# KiCad board dilemma.kicad_pcb (continued)
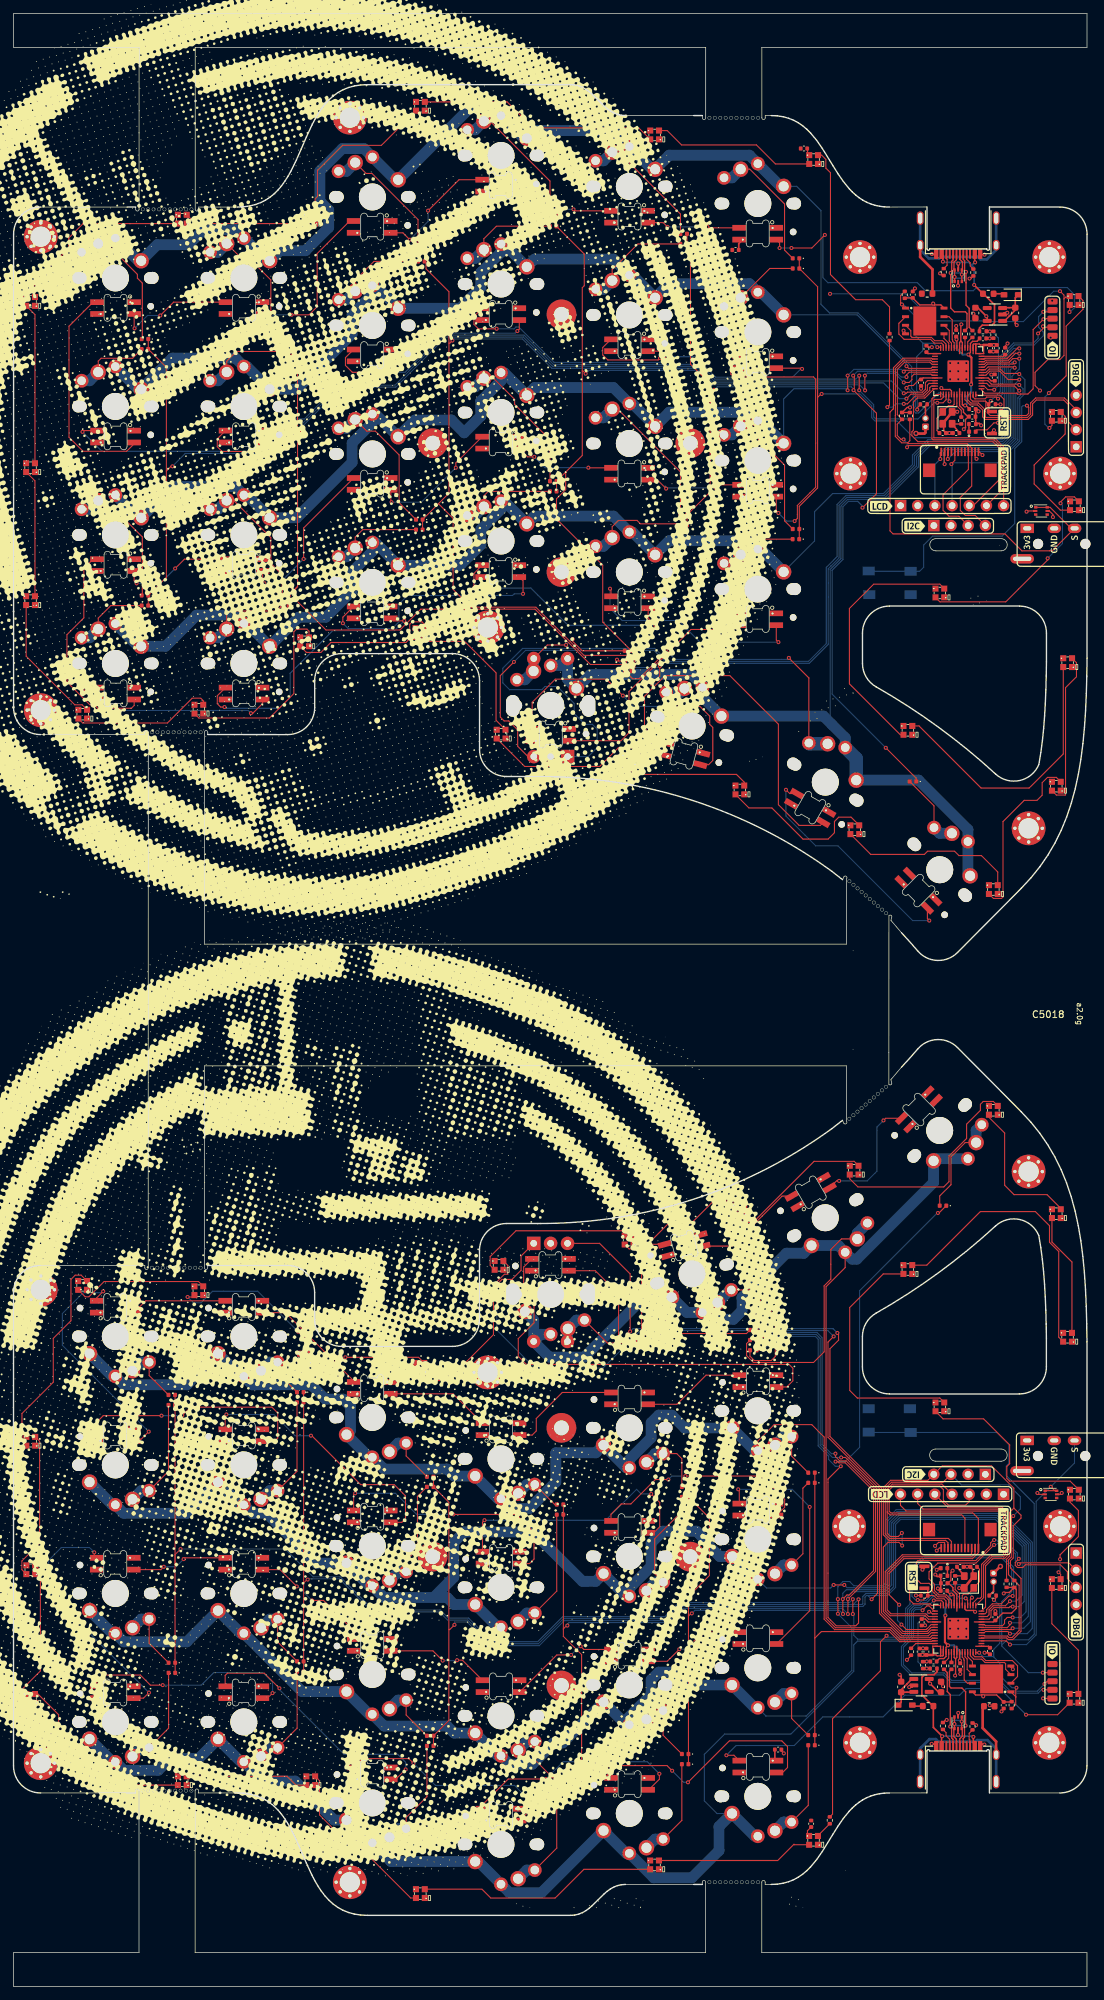
[diagram p0: board, top side]
## Placement (name value [footprint] x y rotation side) (continued)
SW5039  NA_SW_Push  [SW_MX_choc]  110.05 28.11 0 bottom
SW5040  NA_SW_Push  [SW_MX_choc]  15.05 39.11 0 bottom
SW5041  NA_SW_Push  [SW_MX_choc]  136.96 165.12 135 bottom
SW5042  NA_SW_Push  [SW_MX_choc]  136.95 126.57 45 bottom
U1  RP2040  [QFN-56-1EP_7x7mm_P0.4mm_EP3.2x3.2mm]  139.69 238.83 0 top
U2  W25Q128JVS  [W25Q128JVPIQ]  134.75 246.26 0 top
U3  XC6210B332MR-G  [SOT-23-5]  145.12 247.22 180 top
U4  USBLC6-2P6  [SOT-666]  139.69 252.94 90 top
U5001  XC6210B332MR-G  [SOT-23-5]  134.26 44.52 0 top
U5002  RP2040  [QFN-56-1EP_7x7mm_P0.4mm_EP3.2x3.2mm]  139.69 52.9 180 top
U5003  USBLC6-2P6  [SOT-666]  139.67 39 270 top
U5004  W25Q128JVS  [W25Q128JVPIQ]  144.64 45.48 180 top
U5005  USBLC6-2P6  [SOT-666]  152 218.17 0 top
U5006  USBLC6-2P6  [SOT-666]  153.4 72.77 0 top
Y1  Crystal_GND24  [Crystal_SMD_2520-4Pin_2.5x2.0mm]  138.09 231.93 270 top
Y5001  Crystal_GND24  [Crystal_SMD_2520-4Pin_2.5x2.0mm]  141.29 59.8 90 top

## Library data of the parts
C1 C2 C5001 C5002 = -: Description: Unpolarized capacitor; LCSC: C19666
C3 C4 C5005 C5008 = -: Description: Unpolarized capacitor; LCSC: C1548
C5 C6 C5003 C5004 C5015-C5018 = -: Description: Unpolarized capacitor; LCSC: C52923
C7-C14 C5006 C5007 C5009-C5014 = -: Description: Unpolarized capacitor; LCSC: C1525
D1 D5001 = -: Description: Light emitting diode; LCSC: C130719
D2 D5004 = -: Description: Schottky diode; LCSC: C123899
D3 D4 D7-D9 D11 D12 D15 D16 D18 D19 D21 D22 D24 D25 D27 D28 D5013 D5014 D5016-D5030 D5109-D5116 D5138-D5143 = -: LCSC: C2890035; MFN: Dongguan Opsco Optoelectronics
D112 D115 D5002 D5003 D5005-D5012 D5015 D5067-D5108 D5126 = -: Description: Diode
D5031-D5066 D5117-D5125 D5127-D5137 = -: Description: RGB LED with integrated controller
F1 F5001 = -: Description: Resettable fuse, polymeric positive temperature coefficient; LCSC: C69679
FB1 FB5001 = -: Description: Ferrite bead, small symbol; LCSC: C98288
H101 H102 H104-H108 H111 H5001-H5012 = -: Description: Mounting Hole with connection
J1 J5001 = -: Description: USB 2.0-only Type-C Receptacle connector; LCSC: C2848619
J4 J5008-J5010 = -: Description: Generic connector, single row, 01x05, script generated (kicad-library-utils/schlib/autogen/connector/)
J5 J5002 = -: Description: Generic connector, single row, 01x02, script generated (kicad-library-utils/schlib/autogen/connector/)
J102 J5003 = -: Description: Audio Jack, 4 Poles (TRRS)
J105 J5005 O101 O5001 = -: Description: Generic connector, single row, 01x04, script generated (kicad-library-utils/schlib/autogen/connector/)
J113 J5007 = -: Description: Generic connector, single row, 01x14, script generated (kicad-library-utils/schlib/autogen/connector/)
R1 R3 R8 R5001 R5003 R5008 R5015 R5016 = -: Description: Resistor; LCSC: C11702
R2 R9 R11 R5002 R5010 R5011 = -: Description: Resistor; LCSC: C25744
R4 R5 R10 R5004 R5005 R5009 = -: Description: Resistor; LCSC: C25905
R6 R7 R5006 R5007 = -: Description: Resistor; LCSC: C25100
R101 R5012 = -: Description: Resistor; JLCPCB BOM: 1; JLCPCB Part: C26033
R103 R104 R5013 R5014 = -: Description: Resistor; LCSC: C269746
SW1 SW5001 = -: Description: Push button switch, generic, two pins; LCSC: C319433; Field5: R
SW101-SW109 SW112-SW119 SW3001 SW5002-SW5019 SW5023-SW5042 = -: Description: Push button switch, generic, two pins
SW3002 SW5020 = -: Description: Rotary encoder, dual channel, incremental quadrate outputs, with switch
SW5021 SW5022 = -: Description: Single Pole Single Throw (SPST) switch
U1 U5002 = -: LCSC: C2040
U2 U5004 = -: Description: 128Mb Serial Flash Memory, Standard/Dual/Quad SPI, SOIC-8
U3 U5001 = -: Description: 300mA low dropout linear regulator, shutdown pin, 2.5V-6V input voltage, 3.3V fixed positive output, SOT-23-5; LCSC: C82942; LCSC2: C47719
U4 U5003 U5005 U5006 = -: Description: Very low capacitance ESD protection diode, 2 data-line, SOT-666
Y1 Y5001 = -: Description: Four pin crystal, GND on pins 2 and 4; LCSC: C2149204

## Footprints (pads in the part's own frame, mm; a bottom-side part is the same pattern mirrored in y, then rotated)
C_0402_1005Metric
  rrect 0.56x0.62 smd: 1(-0.48,0) 2(0.48,0)
C_0603_1608Metric
  rrect 0.9x0.95 smd: 1(-0.775,0) 2(0.775,0)
Crystal_SMD_2520-4Pin_2.5x2.0mm
  rrect 1.15x1 smd: 1(-0.875,-0.7) 2(0.875,-0.7) 3(0.875,0.7) 4(-0.875,0.7)
D_0402
  rrect 0.59x0.64 smd: 1(-0.485,0) 2(0.485,0)
D_SOD-323
  rrect 1x0.8 smd: 1(-1.05,0) 2(1.05,0)
FPC-SMD_FPC05012-09200-.5mm
  rect 0.28x1.25 smd: 1(-2.75,1.362) 2(-2.25,1.362) 3(-1.75,1.362) 4(-1.25,1.362) 5(-0.75,1.362) 6(-0.25,1.362) 7(0.25,1.362) 8(0.75,1.362) 9(1.25,1.362) 10(1.75,1.362) 11(2.25,1.362) 12(2.75,1.362)
  rect 1.8x2 smd: 13(4.55,-1.362) 14(-4.55,-1.362)
Fuse_0603_1608Metric
  rrect 0.875x0.95 smd: 1(-0.787,0) 2(0.787,0)
Jack_3.5mm_PJ320E_Horizontal
  oval 1.5x1.5 hole 1.5 unplated: (2.3,8.6) (2.3,1.6)
  oval 1.4x2 hole 0.6x1.2: R1(0,4) R2(0,7)
  oval 1.4x3.5 hole 0.6x2.7: S(4.5,-0.75)
  rect 1.4x2 hole 0.6x1.2: T(0,0)
L_0603_1608Metric
  rrect 0.875x0.95 smd: 1(-0.787,0) 2(0.787,0)
LED_0402_1005Metric
  rrect 0.59x0.64 smd: 1(-0.485,0) 2(0.485,0)
LED_SK6805-EC15_1.5x1.5mm_P0.6mm_handsolder
  rect 0.9x0.9 smd: 1(-0.65,-0.65) 2(0.65,-0.65) 3(0.65,0.65) 4(-0.65,0.65)
  round 0.3 hole 0.2: 2(0.9,-0.65) 4(-0.85,0.7)
MountingHole_3mm_Pad_Via
  round 0.8 hole 0.5: 1(-2.025,0) 1(-1.432,1.432) 1(-1.432,-1.432) 1(0,2.025) 1(0,-2.025) 1(1.432,1.432) 1(1.432,-1.432) 1(2.025,0)
  round 5 hole 3: 1(0,0)
PinHeader_1x02_P1.27mm_Vertical
  rrect 1x1 hole 0.6: 1(0,0)
  round 1 hole 0.6: 2(0,-1.27)
PinHeader_1x04_P2.54mm_Vertical
  rect 1.7x1.7 hole 1: 1(0,0)
  oval 1.7x1.7 hole 1: 2(0,-2.54) 3(0,-5.08) 4(0,-7.62)
PinHeader_1x04_P2.54mm_Vertical_debug
  round 1.7 hole 1: 1(0,0)
  oval 1.7x1.7 hole 1: 2(0,-2.54) 3(0,-5.08)
  rect 1.7x1.7 hole 1: 4(0,-7.62)
PinHeader_1x05_P1.27mm_Vertical_SMD
  rrect 1.5x0.9 smd: 1(0,0) 2(0,-1.27) 3(0,-2.54) 4(0,-3.81) 5(0,-5.08)
PinHeader_1x07_P2.54mm_Vertical
  rect 1.7x1.7 hole 1: 1(0,0)
  oval 1.7x1.7 hole 1: 2(0,-2.54) 3(0,-5.08) 4(0,-7.62) 5(0,-10.16) 6(0,-12.7) 7(0,-15.24)
PushSwitch
  rect 1.8x1.3 smd: 1(-3.1,1.75) 1(3.1,1.8) 2(-3.1,-1.7) 2(3,-1.7)
QFN-56-1EP_7x7mm_P0.4mm_EP3.2x3.2mm
  rrect 1.084x1.084 smd: (-0.637,0.637) (-0.637,-0.637) (0.637,0.637) (0.637,-0.637)
  rrect 0.875x0.2 smd: 1(-3.438,2.6) 2(-3.438,2.2) 3(-3.438,1.8) 4(-3.438,1.4) 5(-3.438,1) 6(-3.438,0.6) 7(-3.438,0.2) 8(-3.438,-0.2) 9(-3.438,-0.6) 10(-3.438,-1) 11(-3.438,-1.4) 12(-3.438,-1.8) 13(-3.438,-2.2) 14(-3.438,-2.6) 29(3.438,-2.6) 30(3.438,-2.2) 31(3.438,-1.8) 32(3.438,-1.4) 33(3.438,-1) 34(3.438,-0.6) 35(3.438,-0.2) 36(3.438,0.2) 37(3.438,0.6) 38(3.438,1) 39(3.438,1.4) 40(3.438,1.8) 41(3.438,2.2) 42(3.438,2.6)
  rrect 0.2x0.875 smd: 15(-2.6,-3.438) 16(-2.2,-3.438) 17(-1.8,-3.438) 18(-1.4,-3.438) 19(-1,-3.438) 20(-0.6,-3.438) 21(-0.2,-3.438) 22(0.2,-3.438) 23(0.6,-3.438) 24(1,-3.438) 25(1.4,-3.438) 26(1.8,-3.438) 27(2.2,-3.438) 28(2.6,-3.438) 43(2.6,3.438) 44(2.2,3.438) 45(1.8,3.438) 46(1.4,3.438) 47(1,3.438) 48(0.6,3.438) 49(0.2,3.438) 50(-0.2,3.438) 51(-0.6,3.438) 52(-1,3.438) 53(-1.4,3.438) 54(-1.8,3.438) 55(-2.2,3.438) 56(-2.6,3.438)
  rrect 3.2x3.2 smd: 57(0,0)
R_0402_1005Metric
  rrect 0.54x0.64 smd: 1(-0.51,0) 2(0.51,0)
R_0402_1005Metric_nolabel
  rrect 0.54x0.64 smd: 1(-0.51,0) 2(0.51,0)
RotaryEncoder_Alps_EC11E-Switch_Vertical_H20mm_roundholes
  oval 3.2x2 hole 3.2x2 unplated: (7.5,-8.1) (7.5,3.1)
  rect 2x2 hole 1: A(0,0)
  round 2 hole 1: B(0,-5) C(0,-2.5) S1(14.5,-5) S2(14.5,0)
SK6812_mini_e_corners
  rect 2x0.85 smd: 1(2.75,-0.975) 2(-2.75,-0.975) 3(-2.75,0.775) 4(2.75,0.775)
  round 0.6 hole 0.3: 2(-2.2,-0.95) 4(2.2,0.775)
SOT-23-5
  rrect 1.325x0.6 smd: 1(-1.137,0.95) 2(-1.137,0) 3(-1.137,-0.95) 4(1.137,-0.95) 5(1.137,0.95)
SOT-666
  rect 0.5x0.375 smd: 1(-0.85,0.537) 3(-0.85,-0.537) 4(0.85,-0.537) 6(0.85,0.537)
  rect 0.65x0.3 smd: 2(-0.925,0) 5(0.925,0)
SW_MX_choc
  round 1.782 hole 1.782 unplated: (-5.5,0) (5.5,0)
  round 0.991 hole 0.991 unplated: (-5.22,-4.2)
  round 1.702 hole 1.702 unplated: (-5.08,0) (5.08,0)
  round 3.988 hole 3.988 unplated: (0,0)
  round 2.286 hole 1.499: 1(-3.81,2.54) 2(2.54,5.08)
  round 2.032 hole 1.27: 1(0,5.9) 2(5,3.8)
SW_SPST_CK_KXT3
  rect 0.55x1.5 smd: 1(-1.625,0) 2(1.625,0)
Tenting_Puck
  round 4.4 hole 2.2: 1(-19.05,0) 1(0,19.05) 1(0,-19.05) 1(19.05,0)
USB_C_Receptacle_HRO_TYPE-C-31-M-13B
  rect 0.6x1.4 smd: A1(-3.25,7.4) A4(-2.45,7.4) A9(2.45,7.4) A12(3.25,7.4) B1(3.25,7.4) B4(2.45,7.4) B9(-2.45,7.4) B12(-3.25,7.4)
  rect 0.3x1.4 smd: A5(-1.25,7.4) A6(-0.25,7.4) A7(0.25,7.4) A8(1.25,7.4) B5(1.75,7.4) B6(0.75,7.4) B7(-0.75,7.4) B8(-1.75,7.4)
  oval 1x1.6 hole 0.6x1.2: S1(-5.62,6.1) S1(5.62,6.1)
  oval 1x2 hole 0.6x1.6: S1(-5.62,2.1) S1(5.62,2.1)
W25Q128JVPIQ
  rrect 1.04x0.44 smd: 1(-2.845,1.905) 2(-2.845,0.635) 3(-2.845,-0.635) 4(-2.845,-1.905) 5(2.845,-1.905) 6(2.845,-0.635) 7(2.845,0.635) 8(2.845,1.905)
  rect 3.4x4.3 smd: 9(0,0)

## Nets
+1V1: C6.1 C7.1 C8.1 U1.23 U1.45 U1.50
+1V1_L: C5004.1 C5006.1 C5007.1 U5002.23 U5002.45 U5002.50
+3V3: C2.1 C5.1 C9.1 C10.1 C11.1 C12.1 C13.1 C14.1 C5015.1 C5017.1 D3.2 D4.2 D7.2 D8.2 D9.2 D11.2 D12.2 D15.2 D16.2 D18.2 D19.2 D21.2 D22.2 D24.2 D25.2 D27.2 D28.2 D5031.4 D5032.4 D5033.4 D5034.4 D5035.4 D5036.4 D5037.4 D5038.4 D5039.4 D5040.4 D5041.4 D5042.4 D5043.4 D5044.4 D5045.4 D5046.4 D5047.4 D5048.4 D5109.2 D5110.2 D5111.2 D5112.2 D5117.4 D5118.4 D5119.4 D5120.4 D5121.4 D5122.4 D5123.4 D5124.4 D5125.4 D5127.4 D5138.2 D5139.2 D5140.2 J3.1 J4.1 J102.T J105.1 J113.12 J5010.1 O101.2 R2.2 R9.2 R101.2 R103.2 R104.1 U1.1 U1.10 U1.22 U1.33 U1.42 U1.43 U1.44 U1.48 U1.49 U2.8 U3.5 U5005.5
+3V3_L: C5002.1 C5003.1 C5009.1 C5010.1 C5011.1 C5012.1 C5013.1 C5014.1 C5016.1 C5018.1 D5013.2 D5014.2 D5016.2 D5017.2 D5018.2 D5019.2 D5020.2 D5021.2 D5022.2 D5023.2 D5024.2 D5025.2 D5026.2 D5027.2 D5028.2 D5029.2 D5030.2 D5049.4 D5050.4 D5051.4 D5052.4 D5053.4 D5054.4 D5055.4 D5056.4 D5057.4 D5058.4 D5059.4 D5060.4 D5061.4 D5062.4 D5063.4 D5064.4 D5065.4 D5066.4 D5113.2 D5114.2 D5115.2 D5116.2 D5128.4 D5129.4 D5130.4 D5131.4 D5132.4 D5133.4 D5134.4 D5135.4 D5136.4 D5137.4 D5141.2 D5142.2 D5143.2 J5003.T J5004.1 J5005.1 J5007.12 J5008.1 J5009.1 O5001.2 R5002.2 R5011.2 R5013.2 R5014.1 U5001.5 U5002.1 U5002.10 U5002.22 U5002.33 U5002.42 U5002.43 U5002.44 U5002.48 U5002.49 U5004.8 U5006.5
+5V: C1.1 D2.1 U3.1 U3.3
+5V_L: C5001.1 D5004.1 U5001.1 U5001.3
/VBUS_DET: R10.1 R11.2 U1.30
/VBUS_DET_L: R5009.1 R5010.2 U5002.30
GND: C1.2 C2.2 C3.2 C4.2 C5.2 C6.2 C7.2 C8.2 C9.2 C10.2 C11.2 C12.2 C13.2 C14.2 C5015.2 C5017.2 D3.4 D4.4 D7.4 D8.4 D9.4 D11.4 D12.4 D15.4 D16.4 D18.4 D19.4 D21.4 D22.4 D24.4 D25.4 D27.4 D28.4 D5031.2 D5032.2 D5033.2 D5034.2 D5035.2 D5036.2 D5037.2 D5038.2 D5039.2 D5040.2 D5041.2 D5042.2 D5043.2 D5044.2 D5045.2 D5046.2 D5047.2 D5048.2 D5109.4 D5110.4 D5111.4 D5112.4 D5117.2 D5118.2 D5119.2 D5120.2 D5121.2 D5122.2 D5123.2 D5124.2 D5125.2 D5127.2 D5138.4 D5139.4 D5140.4 FB1.1 H101.1 H102.1 H104.1 H105.1 H106.1 H107.1 H108.1 H111.1 H5009.1 H5010.1 J1.A1 J1.A12 J1.B1 J1.B12 J3.2 J4.5 J5.1 J102.R1 J105.4 J113.11 J5010.5 O101.1 R1.1 R4.2 R5.2 R11.1 SW1.1 SW3002.C SW5022.2 U1.19 U1.57 U2.4 U3.2 U4.2 U5005.2 Y1.2 Y1.4
GND_L: C5001.2 C5002.2 C5003.2 C5004.2 C5005.2 C5006.2 C5007.2 C5008.2 C5009.2 C5010.2 C5011.2 C5012.2 C5013.2 C5014.2 C5016.2 C5018.2 D5013.4 D5014.4 D5016.4 D5017.4 D5018.4 D5019.4 D5020.4 D5021.4 D5022.4 D5023.4 D5024.4 D5025.4 D5026.4 D5027.4 D5028.4 D5029.4 D5030.4 D5049.2 D5050.2 D5051.2 D5052.2 D5053.2 D5054.2 D5055.2 D5056.2 D5057.2 D5058.2 D5059.2 D5060.2 D5061.2 D5062.2 D5063.2 D5064.2 D5065.2 D5066.2 D5113.4 D5114.4 D5115.4 D5116.4 D5128.2 D5129.2 D5130.2 D5131.2 D5132.2 D5133.2 D5134.2 D5135.2 D5136.2 D5137.2 D5141.4 D5142.4 D5143.4 FB5001.1 H5001.1 H5002.1 H5003.1 H5004.1 H5005.1 H5006.1 H5007.1 H5008.1 H5011.1 H5012.1 J5001.A1 J5001.A12 J5001.B1 J5001.B12 J5002.1 J5003.R1 J5004.2 J5005.4 J5007.11 J5008.5 J5009.5 O5001.1 R5001.1 R5004.2 R5005.2 R5010.1 R5012.2 SW5001.1 SW5020.C SW5021.2 U5001.2 U5002.19 U5002.57 U5003.2 U5004.4 U5006.2 Y5001.2 Y5001.4
VBUS: F1.1 J1.A4 J1.A9 J1.B4 J1.B9 R10.2 U4.5
VBUS_L: F5001.1 J5001.A4 J5001.A9 J5001.B4 J5001.B9 R5009.2 U5003.5
/D+: J1.A6 J1.B6 R6.1 U4.3 U4.4
/D+_L: J5001.A6 J5001.B6 R5006.1 U5003.3 U5003.4
/D-: J1.A7 J1.B7 R7.1 U4.1 U4.6
/D-_L: J5001.A7 J5001.B7 R5007.1 U5003.1 U5003.6
/LED: D1.2 U1.28
/LED_L: D5001.2 U5002.28
/MISO: J113.2 U1.31
/MISO_L: J5007.2 U5002.31
/MOSI: J3.4 J113.5 U1.35
/MOSI_L: J5004.4 J5007.5 U5002.35
/QSPI_D0: U1.53 U2.5
/QSPI_D0_L: U5002.53 U5004.5
/QSPI_D1: U1.55 U2.2
/QSPI_D1_L: U5002.55 U5004.2
/QSPI_D2: U1.54 U2.3
/QSPI_D2_L: U5002.54 U5004.3
/QSPI_D3: U1.51 U2.7
/QSPI_D3_L: U5002.51 U5004.7
/QSPI_SCLK: U1.52 U2.6
/QSPI_SCLK_L: U5002.52 U5004.6
/QSPI_~{CS}: R3.2 R9.1 U1.56 U2.1
/QSPI_~{CS}_L: R5003.2 R5011.1 U5002.56 U5004.1
/SCLK: J3.3 J113.1 U1.34
/SCLK_L: J5004.3 J5007.1 U5002.34
/SWCLK: J105.3 U1.24
/SWCLK_L: J5005.3 U5002.24
/SWD: J105.2 U1.25
/SWD_L: J5005.2 U5002.25
/~{RESET_L}: J5008.4 J5009.4 R5002.1 SW5001.2 SW5021.1 U5002.26
/~{RESET}: J4.4 J5010.4 R2.1 SW1.2 SW5022.1 U1.26
ENC_PIN1: SW3002.B U1.36
ENC_PIN1_L: SW5020.B U5002.36
ENC_PIN2: SW3002.A U1.37
ENC_PIN2_L: SW5020.A U5002.37
encoder_diode: D5082.2 SW3001.2 SW3002.S1
encoder_diode_L: D5088.2 SW5013.2 SW5020.S1
HAND: R101.1 U1.41
HAND_L: R5012.1 U5002.41
IO16: J4.2 J5010.2 U1.27
IO16_L: J5008.2 J5009.2 U5002.27
IO18: J4.3 J5010.3 U1.29
IO18_L: J5008.3 J5009.3 U5002.29
M_COL1: D5067.1 D5068.1 D5069.1 D5070.1 D5091.1 U1.11
M_COL1_L: D5002.1 D5003.1 D5083.1 D5084.1 D5103.1 U5002.11
M_COL2: D5071.1 D5072.1 D5073.1 D5074.1 D5092.1 U1.12
M_COL2_L: D5005.1 D5006.1 D5085.1 D5086.1 D5104.1 U5002.12
M_COL3: D5075.1 D5076.1 D5081.1 D5082.1 D5093.1 U1.9
M_COL3_L: D5007.1 D5008.1 D5087.1 D5088.1 D5105.1 U5002.9
M_COL4: D112.1 D5015.1 D5077.1 D5078.1 D5094.1 U1.8
M_COL4_L: D5009.1 D5010.1 D5089.1 D5106.1 D5126.1 U5002.8
M_COL5: D115.1 D5079.1 D5080.1 D5095.1 U1.40
M_COL5_L: D5011.1 D5012.1 D5090.1 D5107.1 U5002.40
M_COL6: D5096.1 D5097.1 D5098.1 D5099.1 U1.17
M_COL6_L: D5100.1 D5101.1 D5102.1 D5108.1 U5002.17
M_ROW1: SW118.1 SW119.1 SW3001.1 SW3002.S2 SW5041.1 U1.38
M_ROW1_L: SW5005.1 SW5009.1 SW5013.1 SW5020.S2 SW5042.1 U5002.38
M_ROW2: SW101.1 SW104.1 SW107.1 SW112.1 SW115.1 SW5029.1 U1.6
M_ROW2_L: SW5002.1 SW5006.1 SW5010.1 SW5014.1 SW5017.1 SW5032.1 U5002.6
M_ROW3: SW102.1 SW105.1 SW108.1 SW113.1 SW116.1 SW5030.1 U1.7
M_ROW3_L: SW5003.1 SW5007.1 SW5011.1 SW5015.1 SW5018.1 SW5033.1 U5002.7
M_ROW4: SW103.1 SW106.1 SW109.1 SW114.1 SW117.1 SW5031.1 U1.39
M_ROW4_L: SW5004.1 SW5008.1 SW5012.1 SW5016.1 SW5019.1 SW5034.1 U5002.39
M_ROW5: SW5023.1 SW5024.1 SW5025.1 SW5026.1 SW5027.1 SW5028.1 U1.18
M_ROW5_L: SW5035.1 SW5036.1 SW5037.1 SW5038.1 SW5039.1 SW5040.1 U5002.18
NCS: J113.3 U1.32
NCS_L: J5007.3 U5002.32
QP_CS: J3.6 U1.15
QP_CS_L: J5004.6 U5002.15
QP_DC: J3.5 U1.14
QP_DC_L: J5004.5 U5002.14
QP_RST: J3.7 U1.16
QP_RST_L: J5004.7 U5002.16
RGB: D5109.3 D5117.3
RGB_L: D5113.3 D5128.3
SCL: J113.9 O101.3 R104.2 U1.5
SCL_L: J5007.9 O5001.3 R5014.2 U5002.5
SDA: J113.10 O101.4 R103.1 U1.4
SDA_L: J5007.10 O5001.4 R5013.1 U5002.4
SERIAL: J102.R2 U1.3 U5005.1 U5005.6
SERIAL_L: J5003.R2 U5002.3 U5006.1 U5006.6
UNDER_RGB: R5016.1 U1.13
UNDER_RGB_L: R5015.1 U5002.13
Net-(C4-Pad1): C4.1 R8.1 Y1.3
Net-(C5008-Pad1): C5008.1 R5008.1 Y5001.3
Net-(D1-K): D1.1 R1.2
Net-(D2-A): D2.2 F1.2
Net-(D3-DIN): D3.1 R5016.2
Net-(D3-DOUT): D3.3 D7.1
Net-(D4-DOUT): D4.3 D8.1
Net-(D11-DIN): D7.3 D11.1
Net-(D11-DOUT): D11.3 D15.1
Net-(D12-DIN): D8.3 D12.1
Net-(D12-DOUT): D9.1 D12.3
Net-(D15-DOUT): D15.3 D5110.1
Net-(D16-DIN): D9.3 D16.1
Net-(D16-DOUT): D16.3 D19.1
Net-(D18-DIN): D18.1 D5110.3
Net-(D18-DOUT): D18.3 D5111.1
Net-(D19-DOUT): D19.3 D22.1
Net-(D21-DIN): D21.1 D5111.3
Net-(D21-DOUT): D21.3 D24.1
Net-(D22-DOUT): D22.3 D5138.1
Net-(D24-DOUT): D24.3 D5112.1
Net-(D25-DIN): D25.1 D5140.3
Net-(D25-DOUT): D25.3 D28.1
Net-(D27-DIN): D27.1 D5112.3
Net-(D27-DOUT): D4.1 D27.3
Net-(D28-DOUT): D28.3 D5109.1
Net-(D112-A): D112.2 SW114.2
Net-(D115-A): D115.2 SW117.2
Net-(D5001-K): D5001.1 R5001.2
Net-(D5002-A): D5002.2 SW5002.2
Net-(D5003-A): D5003.2 SW5004.2
Net-(D5004-A): D5004.2 F5001.2
Net-(D5005-A): D5005.2 SW5006.2
Net-(D5006-A): D5006.2 SW5008.2
Net-(D5007-A): D5007.2 SW5010.2
Net-(D5008-A): D5008.2 SW5012.2
Net-(D5009-A): D5009.2 SW5016.2
Net-(D5010-A): D5010.2 SW5014.2
Net-(D5011-A): D5011.2 SW5019.2
Net-(D5012-A): D5012.2 SW5017.2
Net-(D5013-DIN): D5013.1 R5015.2
Net-(D5013-DOUT): D5013.3 D5016.1
Net-(D5014-DIN): D5014.1 D5028.3
Net-(D5014-DOUT): D5014.3 D5017.1
Net-(D5015-A): D5015.2 SW5041.2
Net-(D5016-DOUT): D5016.3 D5018.1
Net-(D5017-DOUT): D5017.3 D5019.1
Net-(D5018-DOUT): D5018.3 D5020.1
Net-(D5019-DOUT): D5019.3 D5021.1
Net-(D5020-DOUT): D5020.3 D5114.1
Net-(D5021-DOUT): D5021.3 D5023.1
Net-(D5022-DIN): D5022.1 D5114.3
Net-(D5022-DOUT): D5022.3 D5115.1
Net-(D5023-DOUT): D5023.3 D5025.1
Net-(D5024-DIN): D5024.1 D5116.3
Net-(D5024-DOUT): D5024.3 D5026.1
Net-(D5025-DOUT): D5025.3 D5027.1
Net-(D5026-DOUT): D5026.3 D5028.1
Net-(D5027-DOUT): D5027.3 D5141.1
Net-(D5029-DIN): D5029.1 D5143.3
Net-(D5029-DOUT): D5029.3 D5030.1
Net-(D5030-DOUT): D5030.3 D5113.1
Net-(D5031-DIN): D5031.3 D5034.1
Net-(D5031-DOUT): D5031.1 D5035.3
Net-(D5032-DIN): D5032.3 D5035.1
Net-(D5032-DOUT): D5032.1 D5046.3
Net-(D5033-DIN): D5033.3 D5048.1
Net-(D5033-DOUT): D5033.1 D5127.3
Net-(D5034-DIN): D5034.3 D5036.1
Net-(D5036-DIN): D5036.3 D5038.1
Net-(D5037-DIN): D5037.3 D5039.1
Net-(D5037-DOUT): D5037.1 D5047.3
Net-(D5038-DIN): D5038.3 D5040.1
Net-(D5039-DIN): D5039.3 D5041.1
Net-(D5040-DIN): D5040.3 D5123.1
Net-(D5041-DIN): D5041.3 D5043.1
Net-(D5042-DIN): D5042.3 D5044.1
Net-(D5042-DOUT): D5042.1 D5124.3
Net-(D5043-DIN): D5043.3 D5045.1
Net-(D5044-DIN): D5044.3 D5046.1
Net-(D5045-DIN): D5045.3 D5125.1
Net-(D5047-DOUT): D5047.1 D5048.3
Net-(D5049-DIN): D5049.3 D5052.1
Net-(D5049-DOUT): D5049.1 D5053.3
Net-(D5050-DIN): D5050.3 D5053.1
Net-(D5050-DOUT): D5050.1 D5064.3
Net-(D5051-DIN): D5051.3 D5066.1
Net-(D5051-DOUT): D5051.1 D5137.3
Net-(D5052-DIN): D5052.3 D5054.1
Net-(D5054-DIN): D5054.3 D5056.1
Net-(D5055-DIN): D5055.3 D5057.1
Net-(D5055-DOUT): D5055.1 D5065.3
Net-(D5056-DIN): D5056.3 D5058.1
Net-(D5057-DIN): D5057.3 D5059.1
Net-(D5058-DIN): D5058.3 D5134.1
Net-(D5059-DIN): D5059.3 D5061.1
Net-(D5060-DIN): D5060.3 D5062.1
Net-(D5060-DOUT): D5060.1 D5135.3
Net-(D5061-DIN): D5061.3 D5063.1
Net-(D5062-DIN): D5062.3 D5064.1
Net-(D5063-DIN): D5063.3 D5136.1
Net-(D5065-DOUT): D5065.1 D5066.3
Net-(D5067-A): D5067.2 SW101.2
Net-(D5068-A): D5068.2 SW102.2
Net-(D5069-A): D5069.2 SW103.2
Net-(D5070-A): D5070.2 SW118.2
Net-(D5071-A): D5071.2 SW104.2
Net-(D5072-A): D5072.2 SW105.2
Net-(D5073-A): D5073.2 SW106.2
Net-(D5074-A): D5074.2 SW119.2
Net-(D5075-A): D5075.2 SW107.2
Net-(D5076-A): D5076.2 SW108.2
Net-(D5077-A): D5077.2 SW112.2
Net-(D5078-A): D5078.2 SW113.2
Net-(D5079-A): D5079.2 SW115.2
Net-(D5080-A): D5080.2 SW116.2
Net-(D5081-A): D5081.2 SW109.2
Net-(D5083-A): D5083.2 SW5003.2
Net-(D5084-A): D5084.2 SW5005.2
Net-(D5085-A): D5085.2 SW5009.2
Net-(D5086-A): D5086.2 SW5007.2
Net-(D5087-A): D5087.2 SW5011.2
Net-(D5089-A): D5089.2 SW5015.2
Net-(D5090-A): D5090.2 SW5018.2
Net-(D5091-A): D5091.2 SW5023.2
Net-(D5092-A): D5092.2 SW5024.2
Net-(D5093-A): D5093.2 SW5025.2
Net-(D5094-A): D5094.2 SW5026.2
Net-(D5095-A): D5095.2 SW5027.2
Net-(D5096-A): D5096.2 SW5031.2
Net-(D5097-A): D5097.2 SW5028.2
Net-(D5098-A): D5098.2 SW5029.2
Net-(D5099-A): D5099.2 SW5030.2
Net-(D5100-A): D5100.2 SW5034.2
Net-(D5101-A): D5101.2 SW5032.2
Net-(D5102-A): D5102.2 SW5033.2
Net-(D5103-A): D5103.2 SW5035.2
Net-(D5104-A): D5104.2 SW5036.2
Net-(D5105-A): D5105.2 SW5037.2
Net-(D5106-A): D5106.2 SW5038.2
Net-(D5107-A): D5107.2 SW5039.2
Net-(D5108-A): D5108.2 SW5040.2
Net-(D5115-DOUT): D5115.3 D5116.1
Net-(D5117-DOUT): D5117.1 D5122.3
Net-(D5118-DIN): D5118.3 D5119.1
Net-(D5118-DOUT): D5118.1 D5123.3
Net-(D5119-DIN): D5119.3 D5120.1
Net-(D5120-DIN): D5120.3 D5121.1
Net-(D5121-DIN): D5121.3 D5122.1
Net-(D5124-DOUT): D5124.1 D5125.3
Net-(D5126-A): D5126.2 SW5042.2
Net-(D5128-DOUT): D5128.1 D5129.3
Net-(D5129-DOUT): D5129.1 D5130.3
Net-(D5130-DOUT): D5130.1 D5131.3
Net-(D5131-DOUT): D5131.1 D5132.3
Net-(D5132-DOUT): D5132.1 D5133.3
Net-(D5133-DOUT): D5133.1 D5134.3
Net-(D5135-DOUT): D5135.1 D5136.3
Net-(D5138-DOUT): D5138.3 D5139.1
Net-(D5139-DOUT): D5139.3 D5140.1
Net-(D5141-DOUT): D5141.3 D5142.1
Net-(D5142-DOUT): D5142.3 D5143.1
Net-(J1-CC1): J1.A5 R4.1
Net-(J1-CC2): J1.B5 R5.1
Net-(J1-SHIELD): FB1.2 J1.S1
Net-(J5-Pin_2): J5.2 R3.1
Net-(J5001-CC1): J5001.A5 R5005.1
Net-(J5001-CC2): J5001.B5 R5004.1
Net-(J5001-SHIELD): FB5001.2 J5001.S1
Net-(J5002-Pin_2): J5002.2 R5003.1
Net-(U1-USB_DM): R7.2 U1.46
Net-(U1-USB_DP): R6.2 U1.47
Net-(U1-XIN): C3.1 U1.20 Y1.1
Net-(U1-XOUT): R8.2 U1.21
Net-(U5002-USB_DM): R5007.2 U5002.46
Net-(U5002-USB_DP): R5006.2 U5002.47
Net-(U5002-XIN): C5005.1 U5002.20 Y5001.1
Net-(U5002-XOUT): R5008.2 U5002.21

Pads without a net: D5127 1; D5137 1; J1 A8 B8; J102 S; J113 4 6 7 8 13 14; J5001 A8 B8; J5003 S; J5007 4 6 7 8 13 14; U1 2; U2 9; U3 4; U5001 4; U5002 2; U5004 9; U5005 3 4; U5006 3 4

## Via types
v1: diameter 0.6, hole 0.3, Top to Bottom, 344 vias
v2: diameter 0.8, hole 0.4, Top to Bottom, 2 vias

## Routing (per net, layer and track width the routed paths; a pad name or vN(x,y) marks a point on that pad's centre or on a via; arc(x,y) is an arc through that point)
+1V1: length 19.5
  Top w0.2: C6.1 142.86,243.64 142.47,243.25 141.81,243.25 141.49,242.93 U1.45 141.49,241.59 v1(141.19,241.29) ; U1.50 139.49,243.8 139.39,243.9 ; 141.31,233.32 140.86,233.77 v1(140.71,233.77) 140.43,233.77 140.29,233.9 U1.23
  Top w0.32: v1(141.59,236.88) 141.65,236.94 141.65,240.83 v1(141.19,241.29)
  Bottom w0.3: v1(141.19,241.29) 140.33,241.29 139.44,242.18 v1(139.44,243.53)
  Bottom w0.32: v1(141.59,236.88) 141.59,235.68 140.99,235.08 140.99,234.05 v1(140.71,233.77)
+1V1_L: length 19.5
  Top w0.2: 139.99,47.83 139.89,47.93 U5002.50 ; v1(138.19,50.44) 137.89,50.14 U5002.45 137.89,48.8 137.57,48.48 136.91,48.48 136.52,48.09 C5004.1 ; 138.07,58.41 138.52,57.97 v1(138.67,57.97) 138.95,57.97 139.09,57.83 U5002.23
  Top w0.32: v1(138.19,50.44) 137.73,50.9 137.73,54.79 v1(137.79,54.85)
  Bottom w0.3: v1(139.94,48.2) 139.94,49.55 139.05,50.44 v1(138.19,50.44)
  Bottom w0.32: v1(137.79,54.85) 137.79,56.05 138.39,56.65 138.39,57.68 v1(138.67,57.97)
+3V3: length 112.5
  Top w0.16: v1(153.59,249.26) 153.64,249.21 J4.1 ; 155.33,249.54 155.33,241.15 154.73,240.55 152.94,240.55 151.06,238.66 151.06,236.7 v1(151.79,235.97) ; 155.33,249.54 155.33,250.08 v1(154.74,250.67) ; 155.33,249.54 155.56,249.78 156.17,249.78 ; v1(132.04,236.36) 132.39,236.71 133.04,236.71 133.94,237.61 C9.1 ; v1(143.28,226.44) 142.81,226.91 J113.12 ; R101.2 146.64,242.58 v1(146.99,242.93) ; C5015.1 117.41,271.71 D3.2 ; v1(153.7,217.27) 153.7,217.63 153.16,218.17 152.92,218.17
  Top w0.2: v1(140.52,230.26) 140.77,230.51 140.77,231.69 141.29,232.21 141.02,232.21 140.47,232.76 140.47,233.16 139.89,233.74 U1.22 139.89,236.23 ; 142.28,242.85 141.98,242.85 141.89,242.77 U1.44 141.89,241.43 ; 142.28,242.85 142.29,242.83 U1.43 142.29,241.43 143.13,241.43 ; 142.28,242.85 142.83,242.85 142.96,242.71 143.44,242.71 143.44,241.43 ; 142.29,237.83 U1.33 144.13,237.83 144.56,237.4 C13.1 ; 136.19,248.63 137.12,248.63 U2.8 ; 136.19,248.63 134,248.63 C10.1 131.84,249.67 R9.2 ; 136.19,248.63 136.19,248.64 v1(135.99,248.83) ; 134.19,237.51 134.51,237.83 U1.10 137.29,237.83 ; v1(140.15,245.76) 140.07,245.68 140.07,243.3 140.29,243.08 U1.48 140.29,241.43 ; v1(132.56,233.48) 132.14,233.48 R104.1 R103.2 ; 134.99,241.65 135.21,241.43 137.09,241.43 ; R2.2 145.93,233.93 v1(145.94,233.92) ; 140.09,243.28 139.89,243.08 U1.49 139.89,241.43
  Top w0.25: D5117.4 107.24,257.68 C5017.1 ; U3.5 143.98,246.83 v1(143.85,246.96) 142.59,248.21 C2.1
  Top w0.4: 143.44,242.71 C11.1 ; C11.1 144.95,242.71 v1(144.97,242.7) ; C11.1 C5.1
  Bottom w0.16: v1(132.04,236.36) 132.25,236.36 133.04,235.57 133.04,233.95 v1(132.56,233.48) ; v1(120.74,250.27) 131.94,250.27 135.94,246.26 144.09,246.26 144.19,246.17 149.32,246.17 153.82,250.67 v1(154.74,250.67)
+3V3_L: length 58.9
  Top w0.16: 152.34,42.6 152.34,42.59 J5008.1 ; v1(136.52,64.45) 136.9,64.83 J5007.12 ; D5013.2 117.4,23.03 C5016.1 ; v1(155,72.97) 154.8,72.77 U5006.5
  Top w0.2: 139.29,48.45 139.49,48.65 U5002.49 139.49,50.3 ; C5012.1 144.17,50.3 U5002.1 142.29,50.3 ; 137.09,53.9 U5002.33 135.25,53.9 134.82,54.33 C5013.1 ; R5011.2 147.54,42.07 C5010.1 145.38,43.1 143.2,43.1 ; 139.09,50.3 U5002.48 139.09,48.65 139.31,48.43 139.31,46.05 v1(139.23,45.98) ; 135.94,50.3 135.94,49.02 136.42,49.02 136.56,48.88 137.11,48.88 ; v1(133.44,57.82) 133.46,57.8 R5002.2 ; 143.2,43.1 143.2,43.09 v1(143.39,42.9) ; 143.2,43.1 142.26,43.1 U5004.8 ; R5014.1 147.24,58.26 146.57,58.26 v1(146.43,58.12) ; R5014.1 148.27,58.73 148.27,55.9 147.58,55.21 146.27,55.21 C5009.1 ; R5014.1 R5013.2 ; 137.11,48.88 137.41,48.88 137.49,48.97 U5002.44 137.49,50.3 ; 137.11,48.88 137.09,48.9 U5002.43 137.09,50.3 U5002.42 ; 145.19,54.22 144.87,53.9 U5002.10 142.09,53.9 ; v1(138.86,61.48) 138.61,61.22 138.61,60.04 138.09,59.53 138.36,59.53 138.91,58.98 138.91,58.57 139.49,58 U5002.22 139.49,55.5
  Top w0.25: C5002.1 136.79,43.52 v1(135.53,44.78) 135.4,44.91 U5001.5 ; C5018.1 112.58,33.7 D5128.4
  Top w0.4: C5011.1 134.43,49.02 v1(134.41,49.04) ; C5011.1 135.94,49.02 ; C5011.1 C5003.1
  Bottom w0.16: J5008.1 153.62,42.6 v1(152.25,42.6)
+5V: length 6.9
  Top w0.25: C1.1 148.13,249.69 D2.1 ; C1.1 146.31,248.22 U3.3 ; C1.1 148.13,247.87 147.24,246.98 147.24,246.97 146.53,246.27 U3.1
+5V_L: length 6.9
  Top w0.25: C5001.1 131.25,43.87 132.14,44.75 132.14,44.76 132.85,45.47 U5001.1 ; C5001.1 133.07,43.51 U5001.3 ; C5001.1 131.25,42.05 D5004.1
/VBUS_DET: length 12.8
  Top w0.16: R10.1 143.88,244.71 v1(144.36,244.71) 144.87,244.71 R11.2 ; v1(145.02,236.09) 144.08,236.09 143.53,236.63 U1.30
  Bottom w0.16: v1(145.02,236.09) 145.64,236.71 145.64,243.74 144.67,244.71 v1(144.36,244.71)
/VBUS_DET_L: length 11.8
  Top w0.16: U5002.30 135.85,55.1 135.56,55.39 v1(135.39,55.39) ; R5010.2 134.51,47.03 v1(135.02,47.03) 135.5,47.03 R5009.1
  Bottom w0.16: v1(135.39,55.39) 133.74,53.74 133.74,48 134.71,47.03 v1(135.02,47.03)
GND: length 28.5
  Top w0.16: v1(149.8,218.07) 149.9,218.17 U5005.2 ; v1(144.34,243.68) 144.37,243.71 R11.1 ; R4.2 141.55,252.53 v1(141.37,252.53) ; U2.4 131.9,244.54 v1(131.61,244.83) ; R5.2 137.34,252.98 v1(137.02,253.3) ; C10.2 132.97,250.75 v1(133.29,251.07) ; J113.11 142.19,226.08 v1(142.4,225.87)
  Top w0.2: v1(137.19,236.33) 137.39,236.13 138.49,236.13 138.69,235.93 U1.19 ; 157.53,217.94 157.53,218.33
  Top w0.25: v1(144.98,230.11) 144.69,229.82 SW1.1 ; C2.2 142.23,247.04 v1(141.93,247.34) ; C1.2 148.13,245.87 v1(148.35,245.65) ; C12.2 135.01,242.61 135.29,242.38 v1(135.79,242.38) ; C3.2 137.87,229.73 137.54,230.06 137.54,230.91 Y1.2 ; 142.27,233.32 142.27,232.23 142.25,232.21 142.27,232.18 142.27,231.14 142.3,231.11 142.8,231.11 v1(143.08,230.83) ; v1(146.94,247.47) 146.5,247.47 U3.2 ; v1(143.59,256.06) 143.56,256.09 142.93,256.09 ; C7.2 139.39,245.51 v1(139.39,245.52) ; v1(135.8,256.16) 135.87,256.09 136.43,256.09 ; 145.39,241.75 144.91,241.75 v1(144.89,241.73) 144.87,241.75 144.39,241.75 ; 134.19,236.55 134.19,236.08
  Top w0.4: v1(139.54,232.83) 138.82,232.83 Y1.4 Y1.2 ; v2(133.45,229.63) 133.47,229.61 134.69,229.61 134.84,229.76 J5.1 ; 142.27,233.32 142.7,232.89 v1(142.7,232.89) ; v1(138.39,229.68) C4.2 C3.2 v1(138.39,229.68)
  vias: v1(134.19,236.23) v1(138.49,240.03) v1(138.49,238.83) v1(138.49,237.63) v1(139.66,251.49) v1(139.69,240.03) v1(139.69,238.83) v1(139.69,237.63) v1(140.89,240.03) v1(140.89,238.83) v1(140.89,237.63) v1(144.59,238.33) v1(153.36,243.8)
GND_L: length 31.1
  Top w0.16: v1(147.77,46.91) 147.48,47.2 U5004.4 ; v1(144.36,41.58) 144.5,41.44 FB5001.1 ; R5012.2 132.72,48.91 v1(132.11,48.3) ; C5018.2 113.54,34.83 v1(113.9,34.47) ; J5007.11 137.68,65.61 137.63,65.66 136.78,65.66 136.27,65.15 v1(136.27,65.14) ; v1(142.34,38.64) 142.02,38.96 R5004.2 ; v1(151.4,72.97) 151.6,72.77 152.47,72.77 ; C5010.2 146.41,40.99 v1(146.09,40.67) ; R5010.1 135.01,48.02 v1(135.04,48.05) ; 137.81,39.41 R5005.2
  Top w0.2: v1(142.19,55.4) 141.99,55.6 140.89,55.6 140.69,55.81 U5002.19
  Top w0.25: C5005.2 141.51,62.01 141.84,61.68 141.84,60.83 Y5001.2 ; v1(143.59,49.35) 144.09,49.35 144.37,49.12 C5012.2 ; v1(139.99,46.22) 139.99,46.22 C5006.2 ; 142.92,35.85 143.48,35.85 v1(143.56,35.78) ; v1(137.45,44.4) 137.15,44.7 C5002.2 ; 137.11,58.41 137.11,59.5 137.13,59.53 137.11,59.55 137.11,60.6 137.08,60.63 136.58,60.63 v1(136.3,60.91) ; C5003.2 134.47,49.98 v1(134.49,50) 134.51,49.98 C5011.2 ; v1(131.03,46.09) 131.25,45.87 C5001.2 ; U5001.2 132.88,44.27 v1(132.44,44.27) ; 145.19,55.18 145.19,55.65 ; v1(134.4,61.63) 134.69,61.91 SW5001.1 ; v1(135.77,35.88) 135.79,35.85 136.42,35.85 ; U5003.2 139.67,40.42
  Top w0.4: Y5001.2 Y5001.4 140.56,58.9 v1(139.84,58.9) ; v1(136.68,58.85) 136.68,58.84 137.11,58.41 ; v2(145.93,62.11) 145.91,62.11 J5002.1 ; v1(140.99,62.05) C5008.2 C5005.2 v1(140.99,62.05)
  vias: v1(134.79,53.4) v1(137.99,39.41) v1(138.49,54.1) v1(138.49,52.9) v1(138.49,51.7) v1(139.69,54.1) v1(139.69,52.9) v1(139.69,51.7) v1(139.7,40.45) v1(140.89,54.1) v1(140.89,52.9) v1(140.89,51.7) v1(145.19,55.5)
